# Altium PCB BE200.PcbDoc (part 2 of 6) (continued)
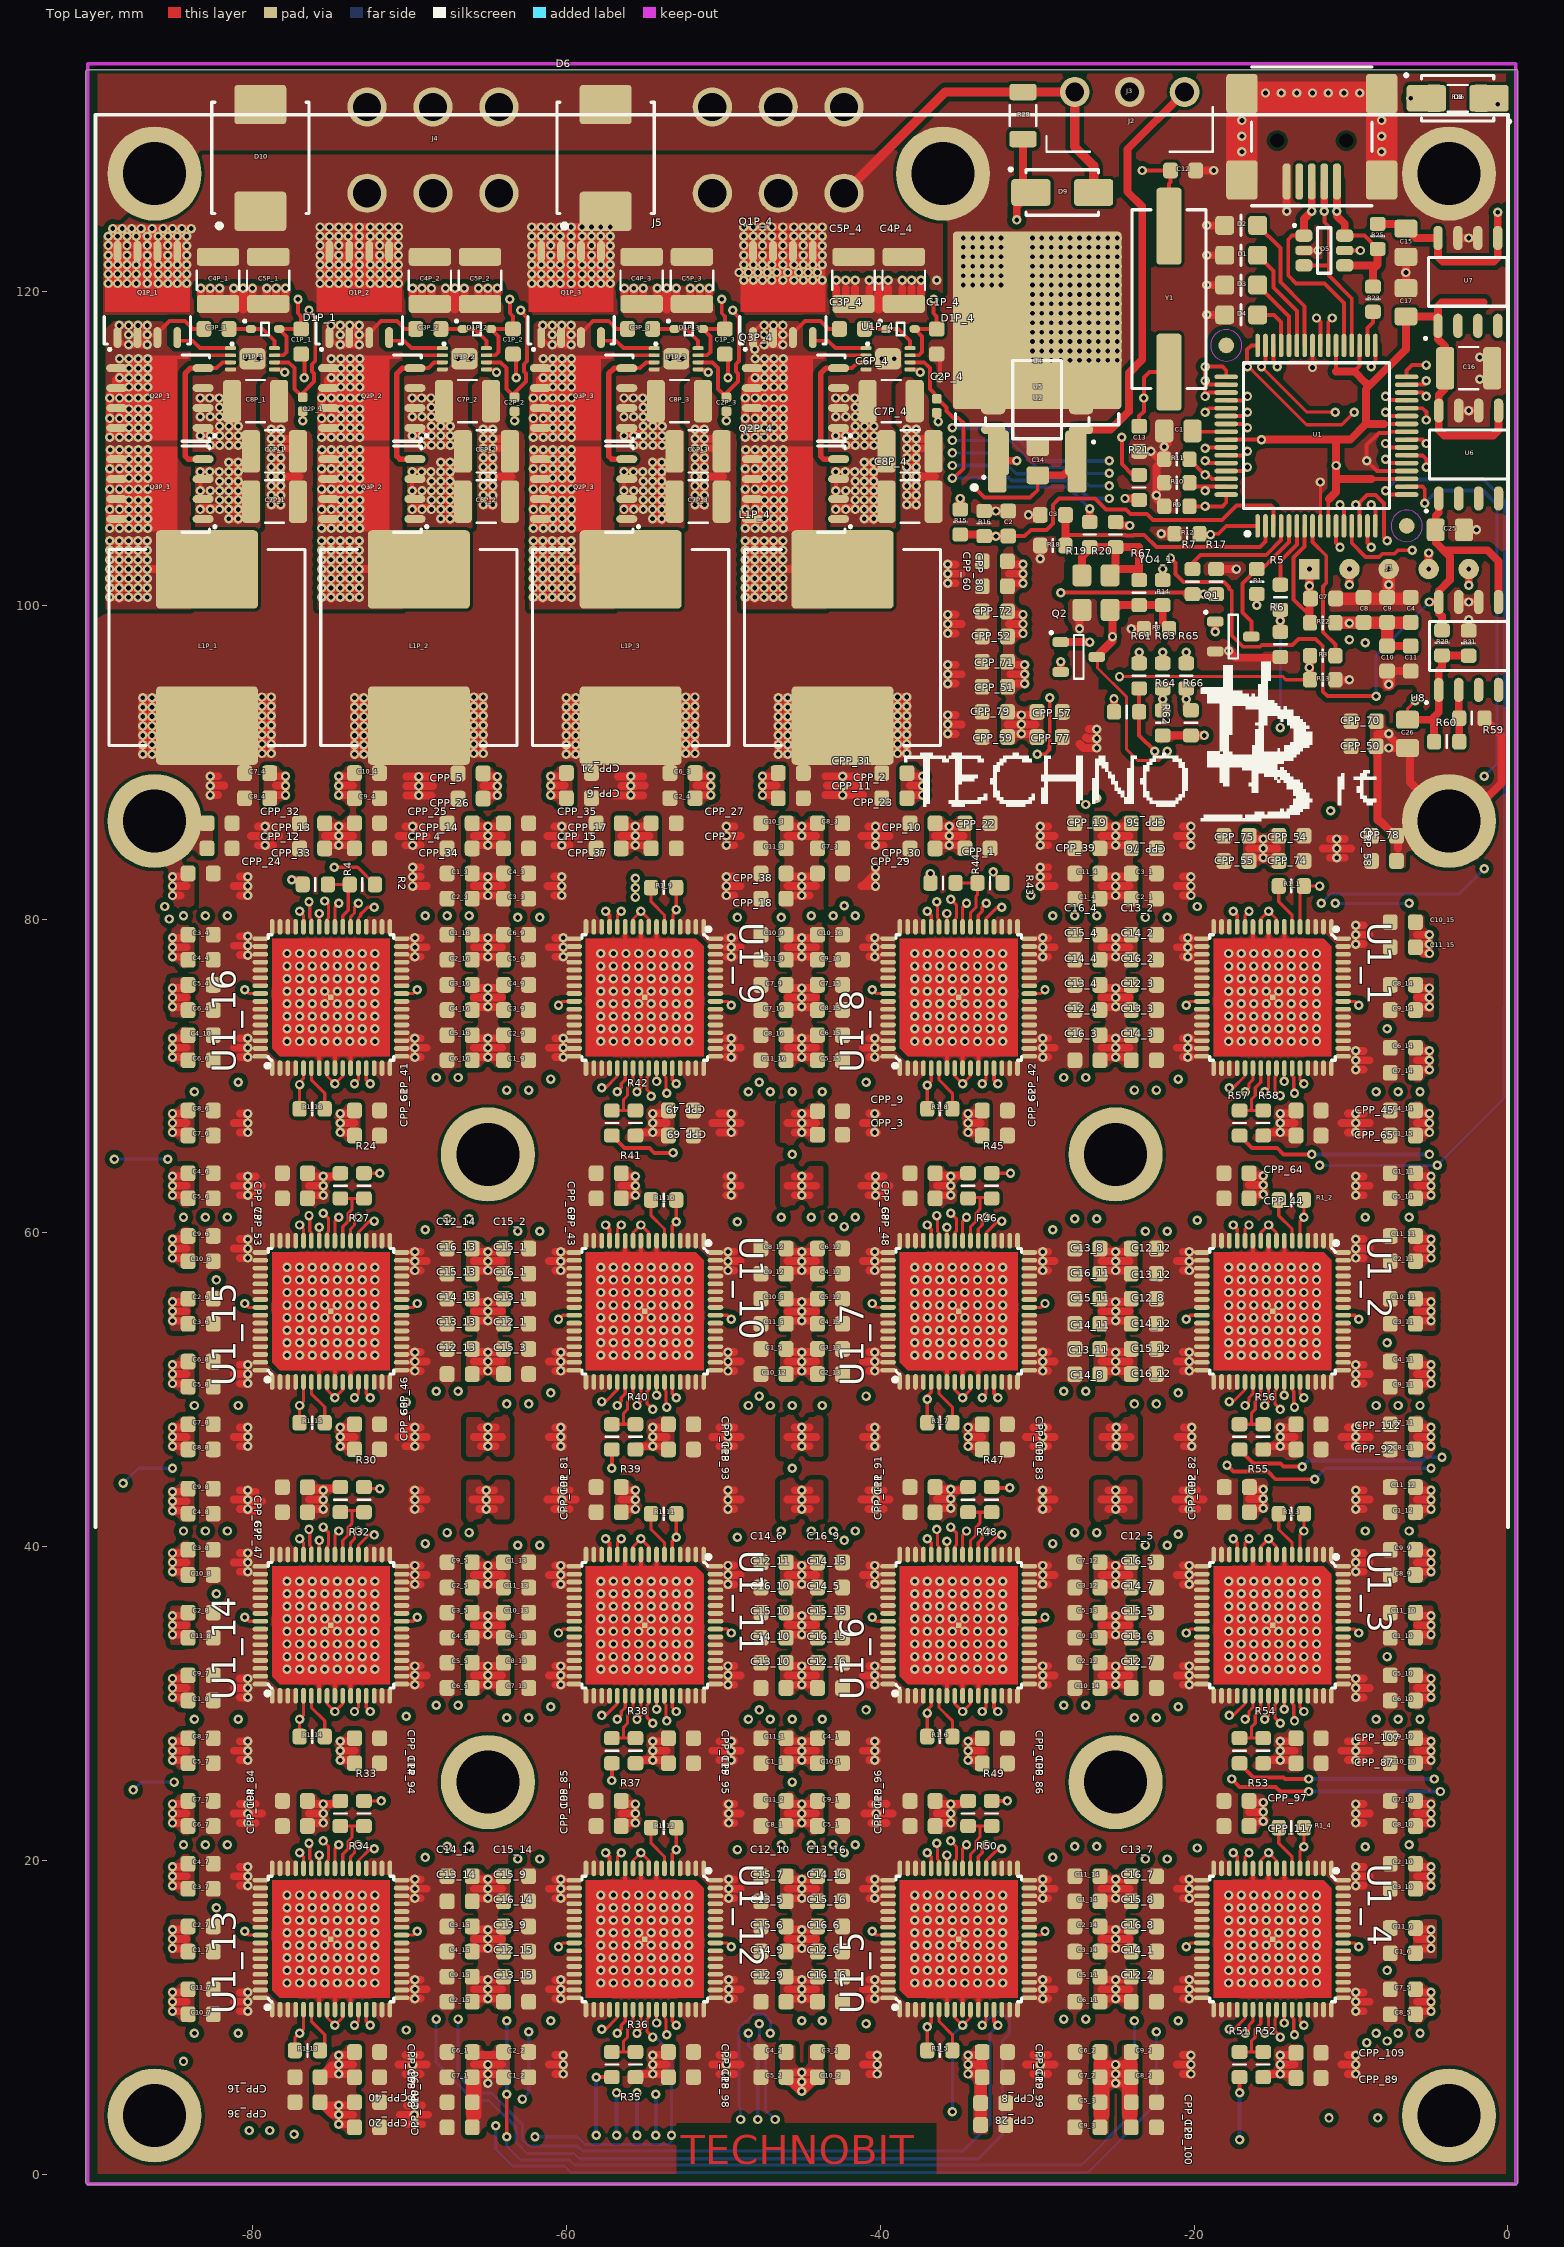
[diagram p0: Top Layer view]
## Nets (pads, with @x,y where several pads share a name; then routed paths per layer and width w, separated by ;. In a path a pad name is that pad's centre, name@x,y a point inside that pad or via, vN(x,y) a via of type N, cw(c..) or ccw(c..) an arc to the next point about the centre after c; other vN are vias at no path point) (continued)
  Mid-Top Layer w0.25: v1(-35.7,101.4) -35.45,101.4 -33.3,103.55 -30.4,103.55 v1(-29.8,102.95)
  other v1: -69.65,11.2 -60.35,11.2 -49.65,11.2 -40.35,11.2 -29.65,11.2 -20.3,11.2 -69.65,11.8 -60.35,11.8 -49.65,11.8 -40.35,11.8 -29.65,11.8 -20.3,11.8 -69.65,12.4 -60.35,12.4 -49.65,12.4 -40.35,12.4 -29.65,12.4 -20.3,12.4 -69.65,17.6 -60.35,17.6 -49.65,17.6 -40.35,17.6 -29.65,17.6 -20.3,17.6 -69.65,18.2 -60.35,18.2 -49.65,18.2 -40.35,18.2 -29.65,18.2 -20.3,18.2 -69.65,18.8 -60.35,18.8 -49.65,18.8 -40.35,18.8 -29.65,18.8 -20.3,18.8 -69.65,31.2 -60.35,31.2 -49.7,31.2 -40.35,31.2 -29.65,31.2 -20.3,31.2 -69.65,31.8 -60.35,31.8 -49.7,31.8 -40.35,31.8 -29.65,31.8 -20.3,31.8 -69.65,32.4 -60.35,32.4 -49.7,32.4 -40.35,32.4 -29.65,32.4 -20.3,32.4 -69.65,37.6 -60.35,37.6 -49.7,37.6 -40.35,37.6 -29.65,37.6 -20.3,37.6 -69.65,38.2 -60.35,38.2 -49.7,38.2 -40.35,38.2 -29.65,38.2 -20.3,38.2 -69.65,38.8 -60.35,38.8 -49.7,38.8 -40.35,38.8 -29.65,38.8 -20.3,38.8 -69.65,51.2 -60.35,51.2 -49.7,51.199 -40.35,51.2 -29.65,51.2 -20.3,51.2 -69.65,51.8 -60.35,51.8 -49.7,51.799 -40.35,51.8 -29.65,51.8 -20.3,51.8 -69.65,52.4 -60.35,52.4 -49.7,52.399 -40.35,52.4 -29.65,52.4 -20.3,52.4 -69.65,57.6 -60.35,57.6 -49.7,57.599 -40.35,57.6 -29.65,57.6 -20.3,57.6 -69.65,58.2 -60.35,58.2 -49.7,58.199 -40.35,58.2 -29.65,58.2 -20.3,58.2 -69.65,58.8 -60.35,58.8 -49.7,58.799 -40.35,58.8 -29.65,58.8 -20.3,58.8 -69.65,71.2 -49.5,71.2 -40.35,71.2 -29.65,71.199 -20.4,71.2 -69.65,71.8 -49.5,71.8 -40.35,71.8 -29.65,71.8 -20.4,71.8 -69.65,72.4 -49.5,72.4 -40.35,72.4 -29.65,72.399 -20.4,72.4 -69.65,77.6 -49.5,77.6 -40.35,77.6 -29.65,77.599 -20.4,77.6 -69.65,78.2 -49.5,78.2 -40.35,78.2 -29.65,78.2 -20.4,78.2 -69.65,78.8 -49.5,78.8 -40.35,78.8 -29.65,78.799 -20.4,78.8 -69.4,87.877 -55.901,87.9 -42.4,87.9 -69.4,89.077 -55.901,89.1 -42.4,89.1 -78.2,108.2 -64.7,108.2 -51.2,108.2 -37.7,108.2 -78.2,110.6 -64.7,110.6 -51.2,110.6 -37.7,110.6
0.9V: C26.1 R29.2 R31.2 R59.1 U1_1.8 U1_1.10 U1_2.8 U1_2.10 U1_3.8 U1_3.10 U1_4.8 U1_4.10 U1_5.8 U1_5.10 U1_6.8 U1_6.10 U1_7.8 U1_7.10 U1_8.8 U1_8.10 U1_9.8 U1_9.10 U1_10.8 U1_10.10 U1_11.8 U1_11.10 U1_12.8 U1_12.10 U1_13.8 U1_13.10 U1_14.8 U1_14.10 U1_15.8 U1_15.10 U1_16.8 U1_16.10 U8.1 | length 606.4
  Top Layer w0.2: U1_13.8@-75.25,10.5 -75.25,10 v1(-74.75,9.5) -74.25,10 U1_13.10@-74.25,10.5 ; U1_14.8@-75.25,30.5 -75.25,30 v1(-74.75,29.5) -74.25,30 U1_14.10@-74.25,30.5 ; U1_15.8@-75.25,50.5 -75.25,50 v1(-74.75,49.5) -74.25,50 U1_15.10@-74.25,50.5 ; U1_16.8@-75.25,70.5 -75.25,70 v1(-74.75,69.5) -74.25,70 U1_16.10@-74.25,70.5 ; U1_12.10@-55.75,19.5 -55.75,20 v1(-55.25,20.5) -54.75,20 U1_12.8@-54.75,19.5 ; U1_11.10@-55.75,39.5 -55.75,40 v1(-55.25,40.5) -54.75,40 U1_11.8@-54.75,39.5 ; U1_10.10@-55.75,59.5 -55.75,60 v1(-55.25,60.5) -54.75,60 U1_10.8@-54.75,59.5 ; U1_9.10@-55.75,79.5 -55.75,80 v1(-55.25,80.5) -54.75,80 U1_9.8@-54.75,79.5 ; U1_5.8@-35.25,10.5 -35.25,10 v1(-34.75,9.5) -34.25,10 U1_5.10@-34.25,10.5 ; U1_6.8@-35.25,30.5 -35.25,30 v1(-34.75,29.5) -34.25,30 U1_6.10@-34.25,30.5 ; U1_7.8@-35.25,50.5 -35.25,50 v1(-34.75,49.5) -34.25,50 U1_7.10@-34.25,50.5 ; U1_8.8@-35.25,70.5 -35.25,70 v1(-34.75,69.5) -34.25,70 U1_8.10@-34.25,70.5 ; U1_4.10@-15.75,19.5 -15.75,20 v1(-15.25,20.5) -14.75,20 U1_4.8@-14.75,19.5 ; U1_3.10@-15.75,39.5 -15.75,40 v1(-15.25,40.5) -14.75,40 U1_3.8@-14.75,39.5 ; U1_2.10@-15.75,59.5 -15.75,60 v1(-15.25,60.5) -14.75,60 U1_2.8@-14.75,59.5 ; U1_1.10@-15.75,79.5 -15.75,80 v1(-15.25,80.5) -14.75,80 U1_1.8@-14.75,79.5 ; C26.1@-6.4,92.7 -6.4,93.4 v1(-5.9,93.9)
  Top Layer w0.5: C26.1@-6.4,92.7 -4.878,92.7 -4.7,92.878 ; R59.1@-4.7,91.3 -4.7,92.878 ; R31.2@-2.7,96.8 R29.2@-4.2,96.8 -4.2,96.046 -4.405,95.841 U8.1@-4.405,94.6 -4.405,93.173 -4.7,92.878
  Mid-Top Layer w0.2: -83.7,80.4 v1(-83.7,69) v1(-83.7,49) v1(-83.7,29) v1(-83.7,9) -83.7,5.998 -82.9,5.198 -82.9,4 -80.625,1.725 -61.575,1.725 -60.2,3.1 -50.249,3.1 -49.149,4.2 -46.1,4.2 -45.9,4 v1(-35.4,4) -35.1,3.7 -18.9,3.7 -18,4.6 -16,4.6 -15,3.6 v1(-11.4,3.6) ; v1(-8.3,3.6) -7.5,4.4 -7.5,5.7 -6.3,6.9 v1(-6.3,21) v1(-6.3,41) v1(-6.3,61) v1(-6.3,81) ; -46.3,9.8 v1(-46.3,21) v1(-46.3,41) v1(-46.3,61) v1(-46.3,80.1) -45.9,80.5 -45.4,80.5 -45.05,80.85 -44.15,80.85 -43.7,80.4 v1(-43.7,69) v1(-43.7,49) v1(-43.7,29) v1(-43.7,9.8) -44.3,9.2 -45.7,9.2 -46.3,9.8
  Mid-Bottom Layer w0.2: v1(-83.7,9) -82.45,9 -81.7,9.75 -78.25,9.75 -75,9.75 v1(-74.75,9.5) ; v1(-83.7,29) -82.45,29 -81.7,29.75 -78.25,29.75 -75,29.75 v1(-74.75,29.5) ; v1(-83.7,49) -82.45,49 -81.7,49.75 -78.25,49.75 -75,49.75 v1(-74.75,49.5) ; v1(-83.7,69) -82.45,69 -81.15,70.3 -77.7,70.3 -75.55,70.3 v1(-74.75,69.5) ; v1(-55.25,20.5) -54.5,19.75 -46.75,19.75 -46.3,20.2 v1(-46.3,21) ; v1(-55.25,40.5) -54.5,39.75 -46.75,39.75 -46.3,40.2 v1(-46.3,41) ; v1(-55.25,60.5) -54.5,59.75 -46.75,59.75 -46.3,60.2 v1(-46.3,61) ; v1(-55.25,80.5) -54.25,79.5 -47,79.5 v1@-46.3,80.2 ; v1(-43.7,9.8) -43.25,10.25 -35.5,10.25 v1(-34.75,9.5) ; v1(-43.7,29) -43.7,29.8 -43.25,30.25 -35.5,30.25 v1(-34.75,29.5) ; v1(-43.7,49) -43.7,49.8 -43.25,50.25 -35.5,50.25 v1(-34.75,49.5) ; v1(-43.7,69) -42.45,70.25 -35.5,70.25 v1(-34.75,69.5) ; v1(-15.25,20.5) -15,20.25 -8.3,20.25 -7.55,21 v1(-6.3,21) ; v1(-15.25,40.5) -15,40.25 -8.3,40.25 -7.55,41 v1(-6.3,41) ; v1(-15.25,60.5) -15,60.25 -8.3,60.25 -7.55,61 v1(-6.3,61) ; v1(-15.25,80.5) -14.875,80.125 -11.875,80.125 v1(-11,81) ; v1(-11.4,3.6) -10.9,3.1 -8.8,3.1 v1(-8.3,3.6) ; v1(-6.3,81) -6.6,81 -9.3,83.7 -9.3,90.949 -6.349,93.9 v1(-5.9,93.9)
  Bottom Layer w0.2: v1(-35.4,4) -35.4,8.85 v1(-34.75,9.5) ; v1(-11,81) v1(-6.3,81)
1.8V: C25.2 R1_1.2 R1_2.2 R1_3.2 R1_4.2 R1_5.2 R1_6.2 R1_7.2 R1_8.2 R1_9.2 R1_10.2 R1_11.2 R1_12.2 R1_13.2 R1_14.2 R1_15.2 R1_16.2 R20.2 R29.1 U1_1.5 U1_1.25 U1_1.37 U1_1.56 U1_2.5 U1_2.25 U1_2.37 U1_2.56 U1_3.5 U1_3.25 U1_3.37 U1_3.56 U1_4.5 U1_4.25 U1_4.37 U1_4.56 U1_5.5 U1_5.25 U1_5.37 U1_5.56 U1_6.5 U1_6.25 U1_6.37 U1_6.56 U1_7.5 U1_7.25 U1_7.37 U1_7.56 U1_8.5 U1_8.25 U1_8.37 U1_8.56 U1_9.5 U1_9.25 U1_9.37 U1_9.56 U1_10.5 U1_10.25 U1_10.37 U1_10.56 U1_11.5 U1_11.25 U1_11.37 U1_11.56 U1_12.5 U1_12.25 U1_12.37 U1_12.56 U1_13.5 U1_13.25 U1_13.37 U1_13.56 U1_14.5 U1_14.25 U1_14.37 U1_14.56 U1_15.5 U1_15.25 U1_15.37 U1_15.56 U1_16.5 U1_16.25 U1_16.37 U1_16.56 U6.1 U8.5 U8.8 | length 1046.7
  Top Layer w0.2: v1(-80.5,15.5) -80.25,15.25 U1_13.56@-79.5,15.25 ; v1(-80.5,35.5) -80.25,35.25 U1_14.56@-79.5,35.25 ; v1(-80.5,55.5) -80.25,55.25 U1_15.56@-79.5,55.25 ; v1(-80.5,75.5) -80.25,75.25 U1_16.56@-79.5,75.25 ; R1_13.2@-77.3,7.9 -77.3,8.7 v1(-77,9) -76.75,9.25 U1_13.5@-76.75,10.5 ; R1_14.2@-77,27.9 v1(-77,29) -76.75,29.25 U1_14.5@-76.75,30.5 ; R1_15.2@-77,47.9 v1(-77,49) -76.75,49.25 U1_15.5@-76.75,50.5 ; R1_16.2@-77,67.9 -77,69.6 -76.75,69.85 U1_16.5@-76.75,70.5 ; U1_13.37@-73.25,19.5 -73.25,20 -72.5,20.75 v1(-72.25,20.75) ; U1_14.37@-73.25,39.5 -73.25,40.1 -72.6,40.75 v1(-72.25,40.75) ; U1_15.37@-73.25,59.5 -73.25,60.05 -72.55,60.75 v1(-72.25,60.75) ; U1_16.37@-73.25,79.5 -73.25,80.069 -73.1,80.219 -73.1,80.334 -73.034,80.4 -73.001,80.4 -72.651,80.75 v1(-72.25,80.75) ; U1_13.25@-70.5,15.25 -69.75,15.25 v1(-69.5,15.5) ; U1_14.25@-70.5,35.25 -69.75,35.25 v1(-69.5,35.5) ; U1_15.25@-70.5,55.25 -69.75,55.25 v1(-69.5,55.5) ; U1_16.25@-70.5,75.25 -69.75,75.25 v1(-69.5,75.5) ; v1(-60.5,14.5) -60.25,14.75 U1_12.25@-59.5,14.75 ; v1(-60.5,34.5) -60.25,34.75 U1_11.25@-59.5,34.75 ; v1(-60.5,54.5) -60.25,54.75 U1_10.25@-59.5,54.75 ; v1(-60.5,74.5) -60.25,74.75 U1_9.25@-59.5,74.75 ; v1(-57.75,9.25) -57.5,9.25 -56.75,10 U1_12.37@-56.75,10.5 ; v1(-57.75,29.25) -57.5,29.25 -56.75,30 U1_11.37@-56.75,30.5 ; v1(-57.75,49.25) -57.5,49.25 -56.75,50 U1_10.37@-56.75,50.5 ; v1(-57.75,69.25) -57.5,69.25 -56.75,70 U1_9.37@-56.75,70.5 ; U1_12.5@-53.25,19.5 -53.25,20.45 v1(-53,20.7) R1_12.2@-53,22.4 ; U1_11.5@-53.25,39.5 -53.25,40.35 v1(-53,40.6) R1_11.2@-53,42.3 ; U1_10.5@-53.25,59.5 -53.25,60.45 v1(-53,60.7) R1_10.2@-53,62.4 ; U1_9.5@-53.25,79.5 -53.2,79.55 -53.2,80.3 -53,80.5 R1_9.2@-53,82 ; U1_12.56@-50.5,14.75 -49.75,14.75 v1(-49.5,14.5) ; U1_11.56@-50.5,34.75 -49.75,34.75 v1(-49.5,34.5) ; U1_10.56@-50.5,54.75 -49.75,54.75 v1(-49.5,54.5) ; U1_9.56@-50.5,74.75 -49.75,74.75 v1(-49.5,74.5) ; v1(-40.5,15.5) -40.25,15.25 U1_5.56@-39.5,15.25 ; v1(-40.5,35.5) -40.25,35.25 U1_6.56@-39.5,35.25 ; v1(-40.5,55.5) -40.25,55.25 U1_7.56@-39.5,55.25 ; v1(-40.5,75.5) -40.25,75.25 U1_8.56@-39.5,75.25 ; R1_5.2@-37,7.9 v1(-37,9.4) ; v1@-37,9.6 v1(-37,9.4) ; R1_6.2@-37,27.9 -37,29.6 -36.75,29.85 U1_6.5@-36.75,30.5 ; R1_7.2@-37,47.9 -37,49.6 -36.75,49.85 U1_7.5@-36.75,50.5 ; R1_8.2@-37,67.9 v1(-37,69.4) -36.75,69.65 U1_8.5@-36.75,70.5 ; U1_5.5@-36.75,10.5 -36.75,9.65 v1(-37,9.4) ; U1_5.37@-33.25,19.5 -33.25,19.986 -32.486,20.75 v1(-32.25,20.75) ; U1_6.37@-33.25,39.5 -33.25,39.986 -32.486,40.75 v1(-32.25,40.75) ; U1_7.37@-33.25,59.5 -33.25,60 -32.5,60.75 v1(-32.25,60.75) ; U1_8.37@-33.25,79.5 -33.25,80.05 -32.55,80.75 v1(-32.25,80.75) ; U1_5.25@-30.5,15.25 -29.75,15.25 v1(-29.5,15.5) ; U1_6.25@-30.5,35.25 -29.75,35.25 v1(-29.5,35.5) ; U1_7.25@-30.5,55.25 -29.75,55.25 v1(-29.5,55.5) ; U1_8.25@-30.5,75.25 -29.75,75.25 v1(-29.5,75.5) ; v1(-20.5,14.5) -20.25,14.75 U1_4.25@-19.5,14.75 ; v1(-20.5,34.5) -20.25,34.75 U1_3.25@-19.5,34.75 ; v1(-20.5,54.5) -20.25,54.75 U1_2.25@-19.5,54.75 ; v1(-20.5,74.5) -20.25,74.75 U1_1.25@-19.5,74.75 ; v1(-17.75,9.25) -17.45,9.25 -16.75,9.95 U1_4.37@-16.75,10.5 ; v1(-17.75,29.25) -17.5,29.25 -16.75,30 U1_3.37@-16.75,30.5 ; v1(-17.75,49.25) -17.5,49.25 -16.75,50 U1_2.37@-16.75,50.5 ; v1(-17.75,69.25) -17.5,69.25 -16.75,70 U1_1.37@-16.75,70.5 ; U1_4.5@-13.25,19.5 -13.25,20.625 v1(-13,20.875) R1_4.2@-13,22.1 ; U1_3.5@-13.25,39.5 -13.25,40.75 -13,41 R1_3.2@-13,42.1 ; U1_2.5@-13.25,59.5 -13.25,60.75 v1(-13,61) R1_2.2@-13,62.1 ; U1_1.5@-13.25,79.5 -13.25,81.85 R1_1.2@-13,82.1 v1(-12,82.1) ; U1_4.56@-10.5,14.75 -9.75,14.75 v1(-9.5,14.5) ; U1_3.56@-10.5,34.75 -9.75,34.75 v1(-9.5,34.5) ; U1_2.56@-10.5,54.75 -9.75,54.75 v1(-9.5,54.5) ; U1_1.56@-10.5,74.75 -9.75,74.75 v1(-9.5,74.5)
  Top Layer w0.25: v1(-21.5,103) -21.175,102.675 -21.175,101.975 -20.675,101.475 -18.081,101.475 -17.775,101.169 -17.775,101.075 -17.6,100.9 -17.6,98.058 -16.892,97.35 -15.808,97.35 -15.683,97.475 -13.725,97.475 -13.35,97.85 -12.25,97.85 -11.8,97.4 -11.8,94.5 -11.5,94.2 v1(-8.4,94.2)
  Top Layer w0.5: R20.2@-25,105.3 -24.775,105.075 v1(-24.1,105.075) ; v1(-5,100.2) U8.8@-4.405,100.2 ; U6.1@-4.405,106.8 -4.405,105.895 -4.6,105.7 C25.2@-4.6,104.8 -4.6,104 -4.1,103.5 ; R29.1@-4.2,98.4 -4.2,99.3 -4.405,99.505 U8.8@-4.405,100.2 ; U8.5@-0.595,100.2 -0.595,102.795 -1.3,103.5 -4.1,103.5 ; U8.8@-4.405,100.2 -4.405,100.895 -3.7,101.6 -3.7,103.1 -4.1,103.5
  Mid-Top Layer w0.2: v1(-80.9,9) -80.9,35.5 ; -80.9,15.5 v1(-80.5,15.5) ; v1(-80.5,35.5) -80.9,35.5 ; v1(-80.5,55.5) -80.9,55.5 ; v1(-80.5,75.5) -80.9,75.5 -80.9,55.5 ; v1(-69.5,15.5) -69,15.5 ; v1(-69.5,35.5) -69,35.5 ; v1(-69.5,55.5) -69,55.5 ; v1(-69.5,75.5) -69,75.5 ; -61,14.5 v1(-60.5,14.5) ; -61,34.5 v1(-60.5,34.5) ; -61,54.5 v1(-60.5,54.5) ; -61,74.5 v1(-60.5,74.5) ; -61,74.8 -61,73.8 ; v1(-49.5,14.5) -48.8,14.5 ; v1(-49.5,34.5) -48.8,34.5 ; v1(-49.5,54.5) -48.8,54.5 ; v1(-49.5,74.5) -48.8,74.5 ; -41.1,35.5 v1(-40.5,35.5) ; -41.1,55.5 v1(-40.5,55.5) ; -41.1,75.5 v1(-40.5,75.5) ; v1@-40.9,9.3 -43,7.2 -47.8,7.2 -49.1,8.5 -49.1,9.149 -48.8,9.449 -48.8,28.551 -49,28.751 -49,29.249 -48.8,29.449 -48.8,48.551 -49,48.751 -49,49.249 -48.8,49.449 -48.8,68.551 -49,68.751 -49,69.249 -48.8,69.449 -48.8,82.9 -47.1,84.6 -42.85,84.6 -41,82.75 -41,79.951 -41.1,79.851 -41.1,61.349 -41,61.249 -41,60.751 -41.1,60.651 -41.1,41.349 -41,41.249 -41,40.751 -41.1,40.651 -41.1,21.349 -41,21.249 -41,20.751 -41.1,20.651 -41.1,15.5 ; v1(-40.9,9.6) -41.1,9.8 -41.1,15.5 ; v1(-40.5,15.5) -41.1,15.5 ; v1(-29.5,15.5) -29,15.5 ; v1(-29.5,35.5) -29,35.5 ; v1(-29.5,55.5) -29,55.5 ; v1(-29.5,75.5) -29,75.5 ; -21,14.5 v1(-20.5,14.5) ; -21,34.5 v1(-20.5,34.5) ; -21,54.5 v1(-20.5,54.5) ; -21,74.5 v1(-20.5,74.5) ; v1(-12,82.1) -11.6,82.5 -9.8,82.5 ; v1(-11.3,86.9) -10.9,86.9 -9.8,85.8 -9.8,82.5 ; v1(-9.5,14.5) -9.1,14.9 -9.1,74.5 ; v1(-9.5,34.5) -9.1,34.5 ; v1(-9.5,54.5) -9.1,54.5 ; v1(-9.5,74.5) -9.1,74.5 ; -80.9,35.5 -80.9,55.5 ; -61,73.8 v1(-61,69.8) -60.4,69.2 -60.4,60.6 -61,60 v1(-61,49.8) v1(-61,29.8) -61,28.05 -60.4,27.45 -60.4,22.5 -61,21.9 v1(-61,9.8) -61,8.9 -62.2,7.7 -64.85,7.7 -65.25,8.1 -67.9,8.1 -69,9.2 v1(-69,20.2) -69.6,20.8 -69.6,29.4 -69,30 v1(-69,60.2) -69.6,60.8 -69.6,69.4 -69,70 v1(-69,80.2) -69,81 -66.1,83.9 -63.8,83.9 -61,81.1 -61,73.8 ; -9.8,82.5 -9.1,81.8 -9.1,74.5 ; -29.6,20.8 v1(-29,20.2) -29,9.2 -27.9,8.1 -25.25,8.1 -24.85,7.7 -22.2,7.7 -21,8.9 v1(-21,9.8) -21,20 -20.4,20.6 -20.4,29.2 v1(-21,29.8) v1(-21,49.8) -21,60 -20.4,60.6 -20.4,69.2 v1(-21,69.8) -21,80.8 -23.9,83.7 -26.4,83.7 -29,81.1 v1(-29,80.2) -29,70 -29.6,69.4 -29.6,60.8 v1(-29,60.2) -29,30 -29.6,29.4 -29.6,20.8
  Mid-Bottom Layer w0.2: v1(-80.9,9) -75.425,9 -74.775,8.35 -71.05,8.35 v1(-70.2,9.2) ; v1(-80.9,29) -75.425,29 -74.775,28.35 -71.05,28.35 v1(-70.2,29.2) ; v1(-80.9,49) -75.425,49 -74.775,48.35 -71.05,48.35 v1(-70.2,49.2) ; v1(-80.9,69.6) -77.95,69.6 -77.8,69.45 v1(-77,69.45) ; v1(-80.5,15.5) -79.7,15.5 -79.05,16.15 -79.05,17.25 -78.7,17.6 -78.7,18.2 -78.1,18.8 -76,18.8 -75.8,19 -72.05,19 -70.95,17.9 -70.95,16.95 v1(-69.5,15.5) ; v1(-72.25,20.75) -71.7,20.2 v1(-69,20.2) ; v1(-72.25,40.75) -71.7,40.2 v1(-69,40.2) ; v1(-72.25,60.75) -71.7,60.2 v1(-69,60.2) ; v1(-72.25,80.75) -71.7,80.2 v1(-69,80.2) ; v1(-61,9.8) -58.3,9.8 v1(-57.75,9.25) ; v1(-61,29.8) -58.3,29.8 v1(-57.75,29.25) ; v1(-61,49.8) -58.3,49.8 v1(-57.75,49.25) ; v1(-61,69.8) -58.3,69.8 v1(-57.75,69.25) ; v1(-60.5,14.5) -59.7,14.5 -59.1,13.9 -59.1,11.8 -58.25,10.95 -52.25,10.95 -51.1,12.1 -51.1,12.9 v1(-49.5,14.5) ; v1(-53,20.7) -52.7,20.4 -49.1,20.4 ; v1@-53,40.4 v1@-49.1,40.4 ; -53,60.4 -49.4,60.4 v1(-49.1,60.7) ; v1@-53,80.4 -49.4,80.4 v1(-49.1,80.1) ; v1(-40.9,9.6) v1@-37,9.6 ; v1(-40.9,29.6) v1@-37,29.6 ; v1(-40.9,49.6) v1@-37,49.6 ; v1(-40.9,69.6) v1@-37,69.6 ; v1(-40.5,15.5) -39.7,15.5 -39.2,16 -39.2,17.5 -37.9,18.8 -32.2,18.8 -30.9,17.5 -30.9,16.1 -30.3,15.5 v1(-29.5,15.5) ; v1(-32.25,20.75) -31.7,20.2 v1(-29,20.2) ; v1(-32.25,40.75) -31.7,40.2 v1(-29,40.2) ; v1(-32.25,60.75) -31.7,60.2 v1(-29,60.2) ; v1(-32.25,80.75) -31.3,79.8 -29.4,79.8 v1(-29,80.2) ; v1(-21,9.8) -18.3,9.8 v1(-17.75,9.25) ; v1(-21,29.8) -18.3,29.8 v1(-17.75,29.25) ; v1(-21,40.8) -19.8,40.8 -18.95,41.65 -15.225,41.65 -14.575,41 v1(-9.1,41) ; v1(-21,49.8) -18.3,49.8 v1(-17.75,49.25) ; v1(-21,69.8) -18.3,69.8 v1(-17.75,69.25) ; v1(-20.5,14.5) -20,14 -20,13.2 -18.1,11.3 -12,11.3 -10,13.3 -10,14 v1(-9.5,14.5) ; v1(-19.8,20.8) -18.95,21.65 -15.225,21.65 -14.575,21 v1@-9.1,21 ; v1(-19.8,60.8) -18.95,61.65 -15.225,61.65 -14.575,61 v1(-9.1,61) ; v1(-11.3,86.9) -11.3,91.3 v1(-8.4,94.2)
  Mid-Bottom Layer w0.25: v1(-24.1,105.075) -22.025,103 v1(-21.5,103)
  Bottom Layer w0.2: v1(-8.4,94.2) -8.4,96.8 v1(-5,100.2)
  other v1: -49.1,20.7 -9.1,20.875 -37,29.4 -49.1,40.6 -13,41 -37,49.4 -53,80.6
3.3V: C2P_1.1 C2P_2.1 C2P_3.1 C2P_4.1 C4.1 C8.1 C9.1 C10.1 C11.1 C16.1 C17.1 J1.2 R1.2 R19.2 R22.2 U1.10 U1.19 U1.26 U1.35 U1.38 U1.57 U1P_1.6 U1P_2.6 U1P_3.6 U1P_4.6 U6.5 U6.8 U7.1 | length 206.2
  Top Layer w0.25: U1P_1.6@-78.6,115.475 -77.693,115.475 -77.327,115.109 -77.327,113.777 C2P_1.1@-76.8,113.25 -76.8,113.516 -76.075,114.241 -76.075,114.775 -76.2,114.9 -76.2,115.35 -76,115.55 -76,118.34 -76.4,118.74 v2(-76.4,118.8) ; U1P_2.6@-65.1,115.475 -64.193,115.475 -63.827,115.109 -63.827,113.777 C2P_2.1@-63.3,113.25 -63.3,113.516 -62.575,114.241 -62.575,114.775 -62.7,114.9 -62.7,115.35 -62.5,115.55 -62.5,118.34 -62.9,118.74 v2(-62.9,118.8) ; U1P_3.6@-51.6,115.475 -50.693,115.475 -50.327,115.109 -50.327,113.777 C2P_3.1@-49.8,113.25 -49.8,113.516 -49.075,114.241 -49.075,114.775 -49.2,114.9 -49.2,115.35 -49,115.55 -49,118.34 -49.4,118.74 v2(-49.4,118.8) ; U1P_4.6@-38.1,115.475 -37.193,115.475 -36.827,115.109 -36.827,113.777 C2P_4.1@-36.3,113.25 ; C2P_4.1@-36.4,113.15 -36.308,113.15 -35.765,112.607 -35.765,112.365 -35.325,111.925 -35.025,111.925 -34.7,111.6 -34.7,108.716 -35.316,108.1 v2(-35.4,108.1) ; U1.57@-17.95,110.55 v1@-15.8,110.55 ; v1(-16,100) R1.2@-16,100.7 ; U1.10@-11.45,105.05 -11.45,106.75 -11.42,106.78 ; -10.95,114.9 U1.38@-10.95,116.55 ; -9.8,114.9 -9.45,115.25 U1.35@-9.45,116.55 ; -8.7,108.05 U1.19@-6.45,108.05 ; -7.9,111.55 U1.26@-6.45,111.55
  Top Layer w0.5: R19.2@-26.65,105.3 v1(-26.65,106.15) ; v1@-15.8,110.55 v1(-15.7,110.55) -10.95,110.55 ; -11.4,106.761 -10.95,107.211 -10.95,108.1 ; v1(-10.1,101.3) v1(-10.1,102.3) ; -9.05,111.6 -9.05,113.75 -6.5,116.3 C17.1@-6.5,118.4 U7.1@-4.655,118.4 ; -9.05,114.15 -9.8,114.9 ; -8.7,108.05 -10.9,108.05 -10.95,108.1 ; -7.9,111.55 -9.05,111.55 -10.05,110.55 -10.95,110.55 ; C10.1@-7.7,97.4 C11.1@-6.2,97.4 ; -1.55,119.3 -4.2,119.3 -4.455,119.045 U7.1@-4.455,117.8 -4.455,116.955 -4,116.5 C16.1@-4,115.1 -4,113.8 -4.405,113.395 U6.8@-4.405,112.4 -4.405,111.159 -4.046,110.8 -0.954,110.8 -0.595,111.159 U6.5@-0.595,112.4 ; -10.95,108.1 v1(-10.95,108.9) -10.95,110.55 ; -9.8,114.9 -10.95,114.9 -9.8,114.9
  Top Layer w0.8: R22.2@-11,98.875 C9.1@-7.7,98.875 ; C10.1@-7.7,97.4 C9.1@-7.7,98.875 ; C9.1@-7.7,98.9 C9.1@-7.7,98.875 ; C4.1@-6.2,98.875 C9.1@-7.7,98.875
  Mid-Top Layer w0.25: v1(-16,100) -10.1,100
  Mid-Top Layer w0.5: v1(-10.95,108.9) -10.95,107.55 -11.6,106.9 -11.6,106.15 -9.95,104.5 -9.95,103.05 -10.1,102.9 v1(-10.1,102.3) v1(-10.1,101.3) -10.1,100 v1(-10.1,98.85)
  Mid-Bottom Layer w0.2: v2(-76.4,118.8) -76.1,119.1 -64.242,119.1 -63.942,118.8 v2(-62.9,118.8) ; v2@-62.7,118.8 v2(-62.9,118.8) ; v2(-35.4,108.1) -34.1,108.1 -33.225,108.975 -33.225,115.275 -37.65,119.7 -48.5,119.7 v2(-49.4,118.8) -50.45,118.8 -50.85,119.2 -58.569,119.2 -58.869,119.5 -62.2,119.5 v2(-62.9,118.8) ; v1(-26.65,106.15) -24.2,103.7 -24.2,103.4 -22.3,101.5 -21.4,101.5 -20.3,102.6 -20,102.6 -18.9,103.7 -18.5,103.7 -18.2,104 -18.2,109.6 -17.25,110.55 v1(-15.7,110.55)
  Bottom Layer w0.2: v2(-35.4,108.1) -32.6,108.1 -32.025,107.525 -28.025,107.525 v1(-26.65,106.15)
5.0V: C1P_1.2 C1P_2.2 C1P_3.2 C1P_4.2 C14.1 D1P_1.2 D1P_2.2 D1P_3.2 D1P_4.2 D7.1 D8.2 J3.1 R26.1 U1P_1.7 U1P_2.7 U1P_3.7 U1P_4.7 U2.1 U4.3 U5.3 | length 129.5
  Top Layer w0.25: U1P_1.7@-78.6,115.925 -78.025,115.925 -77.825,116.125 -77.825,117.125 D1P_1.2@-78.3,117.6 C1P_1.2@-76.9,117.6 -76.9,118.4 -77.1,118.6 v2(-77.1,119.5) ; U1P_2.7@-65.1,115.925 -64.525,115.925 -64.325,116.125 -64.325,117.125 D1P_2.2@-64.8,117.6 C1P_2.2@-63.4,117.6 -63.4,118.4 -63.6,118.6 v2(-63.6,119.5) ; U1P_3.7@-51.6,115.925 -51.025,115.925 -50.825,116.125 -50.825,117.125 D1P_3.2@-51.3,117.6 C1P_3.2@-49.9,117.6 -49.9,118.4 -50.1,118.6 v2(-50.1,119.5) ; U1P_4.7@-38.1,115.925 -37.525,115.925 -37.325,116.125 -37.325,117.125 D1P_4.2@-37.8,117.6 C1P_4.2@-36.4,117.6 -36.4,118.4 -36.6,118.6 v2(-36.6,119.5) ; v2(-34,107.5) -33.35,106.85 -30.45,106.85 -29.96,107.34 C14.1@-29.96,108.275
  Top Layer w0.5: C14.1@-29.96,108.275 -28.335,108.275 U4.3@-27.46,109.15 ; U2.1@-27.2,111.195 -25.305,111.195 -24.15,112.35 -24.15,114.8 -23.3,115.65 -23.3,125.4 -24.25,126.35 -24.25,129.05 J3.1@-20.6,132.7 ; v1(-6.2,132.3) D7.1@-5.2,132.3
  Mid-Top Layer w0.5: J3.1@-20.6,132.7 -18.625,132.7 -17.725,131.8 -6.7,131.8 v1(-6.2,132.3)
  Mid-Bottom Layer w0.2: v2(-77.1,119.5) v2(-63.6,119.5) -63.2,119.9 -58.703,119.9 -58.403,119.6 -50.2,119.6 v2(-50.1,119.5) -49.6,119.5 -49,120.1 -37.2,120.1 v2(-36.6,119.5) -32.825,115.725 -32.825,108.675 v2(-34,107.5)